# Altium PCB Thermostat_EEM.PCBDOC (part 8 of 10)
Units mm, origin at the board's own origin, x right, y up, seen from the top; angles counter-clockwise.
Board outline 162.48 x 100 mm, 4 copper layers (TOP, G1, L2, BOT), stack 1.55 mm thick; 903 components, 476 nets, 2667 pads, 1400 vias.
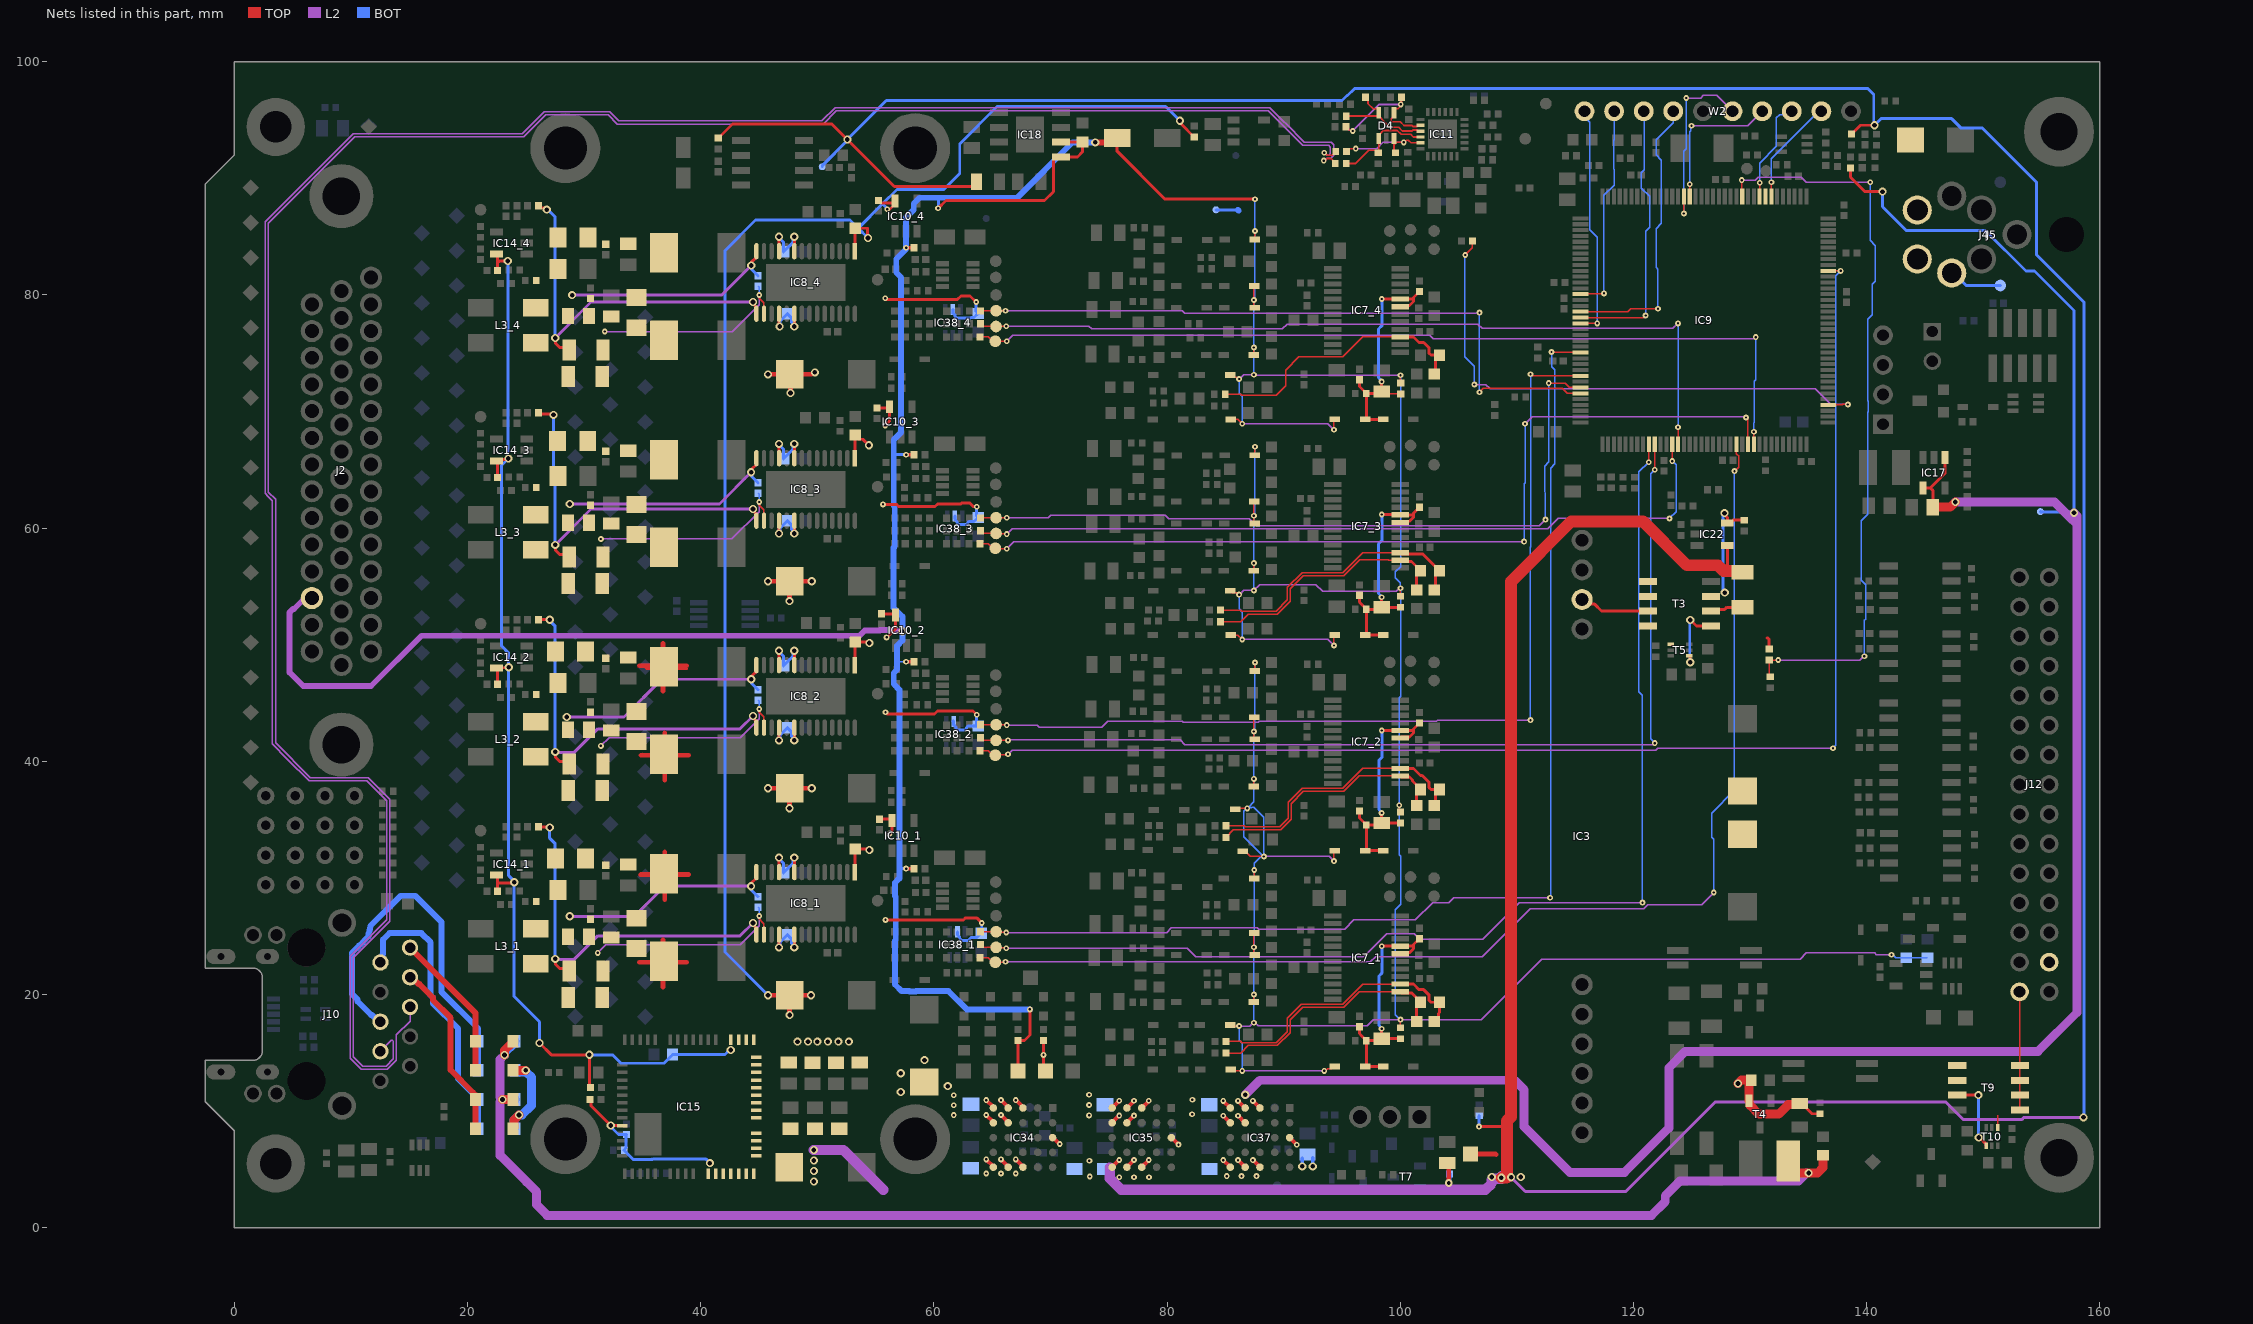
[diagram p10: the nets of this part, all layers, seen from the top]

## Via types
v1: diameter 0.5, hole 0.2, TOP to BOT, tented both sides, 1027 vias
v2: diameter 0.7, hole 0.4, TOP to BOT, tented both sides, 186 vias
v3: diameter 0.6, hole 0.3, TOP to BOT, tented both sides, 97 vias
v4: diameter 0.6, hole 0.3, TOP to BOT, 81 vias
v5: diameter 0.66, hole 0.33, TOP to BOT, tented both sides, 9 vias

## Nets (pads, with @x,y where several pads share a name; then routed paths per layer and width w, separated by ;. In a path a pad name is that pad's centre, name@x,y a point inside that pad or via, vN(x,y) a via of type N, cw(c..) or ccw(c..) an arc to the next point about the centre after c; other vN are vias at no path point) (continued)
P5V0: C8.2 C9.2 C10.2 C11.2 C56_1.2 C56_2.2 C56_3.2 C56_4.2 C57_1.2 C57_2.2 C57_3.2 C57_4.2 C58_1.2 C58_2.2 C58_3.2 C58_4.2 C59_1.1 C59_2.1 C59_3.1 C59_4.1 C69_1.2 C69_2.2 C69_3.2 C69_4.2 C78.2 C90_1.1 C90_2.1 C90_3.1 C90_4.1 C116_1.1 C116_2.1 C116_3.1 C116_4.1 C118.2 C157.2 C158.2 C164.2 C165.1 IC8_1.1 IC8_1.9 IC8_1.11 IC8_1.18 IC8_1.20 IC8_2.1 IC8_2.9 IC8_2.11 IC8_2.18 IC8_2.20 IC8_3.1 IC8_3.9 IC8_3.11 IC8_3.18 IC8_3.20 IC8_4.1 IC8_4.9 IC8_4.11 IC8_4.18 IC8_4.20 IC10_1.5 IC10_2.5 IC10_3.5 IC10_4.5 IC14_1.5 IC14_2.5 IC14_3.5 IC14_4.5 IC15.24 IC15.25 IC15.26 IC15.27 IC15.28 IC15.29 IC15.30 IC15.31 IC15.32 IC15.33 IC15.34 IC15.35 IC15.36 IC17.1 IC17.4 IC34.C1 IC34.D1 IC34.D2 IC34.E1 IC34.E2 IC35.C1 IC35.D1 IC35.D2 IC35.E1 IC35.E2 IC37.C1 IC37.D1 IC37.D2 IC37.E1 IC37.E2 IC38_1.5 IC38_2.5 IC38_3.5 IC38_4.5 R82.1 R86.2 R100.1 R124.1 TP5.1 TP7.1 | length 563.5
  TOP w0.254: IC14_1.5@22.485,30.245 22.585,30.145 22.585,29.501 ; IC14_4.5@22.485,83.495 22.585,83.395 22.585,82.751 ; C90_1.1@22.585,28.857 22.585,29.501 ; C90_2.1@22.585,46.607 22.585,47.895 IC14_2.5@22.485,47.995 22.521,48.031 23.504,48.031 v2(23.54,48.067) ; C90_3.1@22.585,64.357 22.585,65.645 IC14_3.5@22.485,65.745 22.629,65.888 23.425,65.888 v2(23.51,65.974) ; C90_4.1@22.585,82.107 22.585,82.751 ; v2(23.461,82.919) 23.437,82.896 22.73,82.896 22.585,82.751 ; v2(24.01,29.634) 23.94,29.564 22.648,29.564 22.585,29.501 ; v2(26.186,15.841) 27.193,14.834 v2(30.453,14.834) 30.453,12.122 R86.2@30.555,12.02 ; v2(42.577,15.241) v2@42.67,15.241 ; v2(46.725,24.05) 46.725,25.138 IC8_1.18@46.732,25.145 ; v2(46.725,31.744) 46.725,30.512 IC8_1.11@46.732,30.505 ; v2(46.725,41.8) 46.725,42.888 IC8_2.18@46.732,42.895 ; v2(46.725,49.494) 46.725,48.262 IC8_2.11@46.732,48.255 ; v2(46.725,59.55) 46.725,60.638 IC8_3.18@46.732,60.645 ; v2(46.725,67.228) 46.729,67.225 46.729,66.009 IC8_3.11@46.732,66.005 ; v2@46.725,77.3 46.725,78.388 IC8_4.18@46.732,78.395 ; v2(46.725,84.994) 46.725,83.762 IC8_4.11@46.732,83.755 ; v2@47.625,18.252 v2(47.633,18.244) ; C59_4.1@47.625,73.194 C59_4.1@47.701,73.118 ; v2(48.032,24.05) IC8_1.20@48.032,25.145 ; v2(48.032,41.8) IC8_2.20@48.032,42.895 ; v2(48.032,59.55) IC8_3.20@48.032,60.645 ; v2(48.032,77.3) IC8_4.20@48.032,78.395 ; IC8_1.9@48.032,30.505 v2(48.032,31.744) ; IC8_2.9@48.032,48.255 v2(48.032,49.494) ; IC8_3.9@48.032,66.005 v2(48.032,67.228) ; IC8_4.9@48.032,83.755 v2(48.032,84.994) ; v2@49.501,73.194 49.673,73.366 v2(49.794,73.366) ; IC8_1.1@53.232,30.505 53.232,32.457 C57_1.2@53.25,32.475 54.397,32.475 v2(54.472,32.4) ; IC8_2.1@53.232,48.255 53.232,50.207 C57_2.2@53.25,50.225 54.397,50.225 v2(54.472,50.15) ; IC8_3.1@53.232,66.005 53.232,67.957 C57_3.2@53.25,67.975 53.598,67.627 53.911,67.627 v2(54.431,67.107) ; IC8_4.1@53.232,83.755 53.232,85.707 C57_4.2@53.25,85.725 54.323,85.725 54.323,84.919 v2(54.355,84.887) ; C116_3.1@55.114,70.305 56.106,70.305 IC10_3.5@56.213,70.412 56.213,69.194 v1(55.825,68.806) ; C116_4.1@55.244,88.1 55.456,87.888 IC10_4.5@56.582,87.888 ; C116_1.1@55.285,35.104 C116_1.1@55.345,35.044 56.309,35.044 IC10_1.5@56.419,34.935 56.419,34.021 v1(56.22,33.823) ; C116_2.1@55.5,52.657 56.611,52.657 IC10_2.5@56.719,52.549 56.719,51.363 55.989,50.633 v1(55.95,50.633) ; v1(55.643,62.044) 56.777,62.044 56.971,61.85 60.101,61.85 60.309,62.059 62.296,62.059 62.386,62.149 63.084,62.149 63.374,61.86 63.658,61.86 v1(63.677,61.841) ; v1(55.825,79.721) 55.892,79.721 56.003,79.61 62.011,79.61 62.322,79.92 63.106,79.92 v1(63.633,79.394) ; v1(55.855,26.407) 55.863,26.399 62.535,26.399 62.72,26.583 63.677,26.583 64.107,26.153 v1(64.107,26.144) ; v1(55.855,44.21) 56.002,44.064 60.055,44.064 60.312,44.32 62.251,44.32 62.254,44.324 63.347,44.324 v1(63.677,43.994) ; v1(56,87.351) 56.029,87.38 56.233,87.38 56.576,87.723 56.576,87.973 IC10_4.5@56.675,88.072 ; v1@64.419,9.599 v1@64.572,9.599 ; v1@64.419,10.869 v1@64.572,10.869 ; v1@65.689,9.599 v1@65.842,9.599 ; v1@65.689,10.869 v1@65.842,10.869 ; v1@66.959,10.869 v1@67.112,10.869 ; R100.1@69.402,16.056 69.402,13.609 TP7.1@69.566,13.446 ; v1@75.82,9.539 v1@75.82,9.692 ; v1@75.82,10.809 v1@75.82,10.812 ; v1@75.82,10.962 v1@75.82,10.812 ; v1(75.898,10.89) v1@75.82,10.812 ; v1@77.09,9.539 v1@77.09,9.692 ; v1@77.09,10.809 v1@77.09,10.962 ; v1@78.36,10.809 v1@78.36,10.962 ; v2(81.101,94.945) 81.186,94.86 81.186,94.688 82.319,93.555 R124.1@82.339,93.555 ; R82.1@138.617,90.898 138.617,90.103 139.856,88.864 v2(141.366,88.864) ; IC17.4@144.837,63.454 145.462,63.454 ; C78.2@145.671,61.803 145.671,63.244 145.462,63.454 ; IC17.1@146.662,66.129 IC17.1@146.737,66.054 146.737,64.729 145.462,63.454
  TOP w0.35: v1(64.491,9.677) IC34.E2@65.102,9.069 ; v1(64.491,10.947) IC34.E1@65.102,10.339 ; v1(65.761,9.677) IC34.D2@66.372,9.069 ; v1(65.761,10.947) IC34.D1@66.372,10.339 ; v1(67.031,10.947) IC34.C1@67.642,10.339 ; IC35.E2@75.29,9.01 v1(75.898,9.62) ; IC35.E1@75.29,10.28 v1@75.82,10.812 ; IC35.D2@76.56,9.01 v1(77.168,9.62) ; IC35.D1@76.56,10.28 v1(77.168,10.89) ; IC35.C1@77.83,10.28 v1(78.438,10.89) ; v1(84.817,9.613) IC37.E2@85.428,9.006 ; v1(84.817,10.883) IC37.E1@85.428,10.276 ; v1(86.087,9.613) IC37.D2@86.698,9.006 ; v1(86.087,10.883) IC37.D1@86.698,10.276 ; v1(87.357,10.883) IC37.C1@87.968,10.276
  TOP w0.4: v2(45.782,19.944) C59_1.1@47.625,19.944 ; v2(45.782,37.694) C59_2.1@47.625,37.694 ; v2(45.782,55.444) C59_3.1@47.625,55.444 ; v2(45.782,73.194) C59_4.1@47.625,73.194 v2@49.501,73.194 ; v2@47.625,18.252 C59_1.1@47.625,19.944 ; v2(47.625,35.974) C59_2.1@47.625,37.694 ; v2(47.625,53.744) C59_3.1@47.625,55.444 ; v2(47.701,71.59) C59_4.1@47.701,73.118 ; v2(49.459,19.944) C59_1.1@47.625,19.944 ; v2(49.532,37.694) C59_2.1@47.625,37.694 ; v2(49.532,55.444) C59_3.1@47.625,55.444
  TOP w0.762: C78.2@145.671,61.803 147.173,61.803 v2(147.611,62.241)
  L2 w0.254: v2@24.01,29.506 v2(24.01,29.634)
  L2 w0.762: v2(86.71,11.412) 87.952,12.654 103.883,12.654 109.803,12.649 110.619,11.833 110.619,8.683 114.553,4.75 119.235,4.75 123.048,8.563 123.048,13.728 124.444,15.124 154.696,15.124 158.037,18.466 158.037,60.343 ; v2(147.611,62.241) 156.121,62.241 157.408,60.955 157.426,60.955 158.037,60.343 ; v2(157.78,61.327) 158.037,61.07 158.037,60.343
  BOT w0.254: v2(23.461,82.919) 23.461,65.924 22.909,65.373 22.909,49.911 23.54,49.28 v2(23.54,48.067) 23.54,30.198 24.01,29.728 v2(24.01,29.634) 24.01,19.838 26.186,17.662 v2(26.186,15.841) ; v2(30.453,14.834) 32.45,14.834 33.172,14.111 36.857,14.111 37.427,14.681 C118.2@37.464,14.681 ; C118.2@37.586,14.865 42.081,14.865 42.456,15.241 v2(42.577,15.241) ; v2(45.782,19.944) 45.782,20.047 45.679,20.047 42.081,23.645 42.081,83.803 44.709,86.431 52.81,86.431 53.513,85.728 ; v2(46.725,24.05) 46.81,24.135 46.81,24.497 47.432,25.119 C58_1.2@47.432,25.144 47.78,24.796 47.78,24.423 48.032,24.171 v2(48.032,24.05) ; v2(46.725,31.744) 46.725,31.649 47.125,31.249 C56_1.2@47.125,30.469 ; v2(46.725,41.8) 46.81,41.885 46.81,42.247 47.432,42.869 C58_2.2@47.432,42.894 47.78,42.546 47.78,42.173 48.032,41.921 v2(48.032,41.8) ; v2(46.725,49.494) 46.725,49.399 47.125,48.999 C56_2.2@47.125,48.219 ; v2(46.725,59.55) 46.81,59.635 46.81,59.997 47.432,60.619 C58_3.2@47.432,60.644 47.78,60.296 47.78,59.923 48.032,59.671 v2(48.032,59.55) ; v2(46.725,67.228) 46.725,67.149 47.125,66.749 C56_3.2@47.125,65.969 ; v2@46.725,77.3 46.81,77.385 46.81,77.747 47.432,78.369 C58_4.2@47.432,78.394 47.78,78.046 47.78,77.673 48.032,77.421 v2(48.032,77.3) ; v2(46.725,84.994) 46.725,84.899 47.125,84.499 C56_4.2@47.125,83.719 ; C56_1.2@47.125,30.444 C56_1.2@47.125,30.469 ; C56_2.2@47.125,48.194 C56_2.2@47.125,48.219 ; C56_3.2@47.125,65.944 C56_3.2@47.125,65.969 ; C56_4.2@47.125,83.694 C56_4.2@47.125,83.719 ; v2(48.032,31.744) 47.937,31.649 47.937,31.281 C56_1.2@47.125,30.469 ; v2(48.032,49.494) 47.937,49.399 47.937,49.031 C56_2.2@47.125,48.219 ; v2(48.032,67.228) 47.937,67.133 47.937,66.781 C56_3.2@47.125,65.969 ; v2(48.032,84.994) 47.937,84.899 47.937,84.531 C56_4.2@47.125,83.719 ; v2(54.355,84.887) 53.513,85.728 ; v1(56,87.351) 56,87.417 55.624,87.793 55.624,87.838 ; IC38_2.5@61.63,43.481 IC38_2.5@61.703,43.408 61.703,43.133 61.899,42.937 61.899,42.827 62.048,42.679 62.658,42.679 62.807,42.827 62.807,42.898 62.956,43.047 C69_2.2@63.8,43.047 63.677,43.17 v1(63.677,43.994) ; IC38_4.5@61.63,78.739 61.63,78.464 61.826,78.268 61.826,78.159 61.975,78.01 63.107,78.01 63.175,78.079 63.452,78.079 C69_4.2@63.8,78.427 63.633,78.594 v1(63.633,79.394) ; IC38_3.5@61.8,61.049 61.8,60.774 61.996,60.578 61.996,60.469 62.145,60.32 62.755,60.32 63,60.565 63.452,60.565 C69_3.2@63.8,60.913 63.677,61.036 v1(63.677,61.841) ; IC38_1.5@62.025,25.386 62.025,25.111 62.221,24.915 62.221,24.806 62.37,24.657 62.98,24.657 63.237,24.914 63.706,24.914 C69_1.2@64.054,25.262 64.107,25.315 v1(64.107,26.144) ; v2(81.101,94.945) 79.886,96.16 65.426,96.16 62.222,92.955 62.222,90.416 60.853,89.047 56.833,89.047 55.624,87.838 ; v2(141.366,88.864) 141.366,87.572 143.419,85.518 150.202,85.518 153.67,82.05 154.394,82.05 157.78,78.665 v2@157.78,61.338 ; TP5.1@154.9,61.415 154.944,61.371 157.736,61.371 v2(157.78,61.327) ; 53.513,85.728 55.624,87.838
  other v1: 61.701,9.659 73.32,9.64 82.148,9.735 61.701,10.513 73.32,10.526 82.173,10.975 61.701,11.368 73.32,11.412 69.402,14.833
  other v2: 57.156,11.65 61.198,12.147 57.156,13.25 59.2,14.381 48.31,15.968 49.21,15.968 50.01,15.968 50.91,15.968 51.81,15.968 52.71,15.968 46.775,77.3
P5V0A: C113.2 D13_1.1 D13_2.1 D13_3.1 D13_4.1 D14_1.1 D14_2.1 D14_3.1 D14_4.1 D17_1.1 D17_2.1 D17_3.1 D17_4.1 D18_1.1 D18_2.1 D18_3.1 D18_4.1 D25.1 D29_1.1 D29_2.1 D29_3.1 D29_4.1 D30_1.1 D30_2.1 D30_3.1 D30_4.1 D31_1.1 D31_2.1 D31_3.1 D31_4.1 IC18.1 IC18.2 J2.33 R1.2 R2.2 R37_1.2 R37_2.2 R37_3.2 R37_4.2 R39.1 R71_1.2 R71_2.2 R71_3.2 R71_4.2 TP11.1 TP14.1 | length 493
  TOP w0.127: TP11.1@67.209,13.457 TP11.1@67.221,13.446 ; D30_1.1@85.419,17.381 85.499,17.3 v1(86.18,17.3) ; D30_3.1@85.419,54.631 85.605,54.444 85.935,54.444 86.079,54.3 v1(86.18,54.3) ; D30_4.1@85.419,73.131 85.605,72.944 85.935,72.944 86.079,72.8 v1(86.18,72.8) ; D31_1.1@85.449,13.581 85.571,13.458 v1(86.444,13.458) ; D31_3.1@85.449,50.831 86.071,50.831 v1(86.444,50.458) ; D31_4.1@85.449,69.331 86.071,69.331 v1(86.444,68.958) ; D30_2.1@85.853,35.89 85.935,35.973 v1(86.88,35.973) ; D31_2.1@86.501,32.289 86.701,32.289 87.146,31.844 v1(88.302,31.844) ; D18_1.1@87.444,19.355 v1(87.444,20) ; D18_2.1@87.444,37.855 v1(87.444,38.5) ; D18_3.1@87.444,56.355 v1(87.444,57) ; D18_4.1@87.444,74.855 v1(87.444,75.5) ; D13_1.1@87.48,29.962 v1(87.48,30.685) ; D14_1.1@87.494,25.282 87.444,25.233 v1(87.444,24.064) 87.444,23.469 D17_1.1@87.515,23.398 ; D14_2.1@87.494,43.782 87.444,43.733 v1(87.444,42.564) 87.444,41.969 D17_2.1@87.515,41.898 ; D14_3.1@87.494,62.282 87.444,62.233 v1(87.444,61.064) 87.444,60.469 D17_3.1@87.515,60.398 ; D14_4.1@87.494,80.782 87.444,80.733 v1(87.444,79.564) 87.444,78.969 D17_4.1@87.515,78.898 ; D13_2.1@87.539,47.761 v1(87.539,48.484) ; D13_3.1@87.539,66.261 v1(87.539,66.984) ; D13_4.1@87.539,84.761 v1(87.539,85.484) ; v1(93.478,13.458) 93.579,13.458 93.773,13.652 94.072,13.652 D29_1.1@94.318,13.899 ; v1(94.318,31.443) D29_2.1@94.318,32.399 ; v1(94.318,49.943) D29_3.1@94.318,50.899 ; v1(94.318,68.443) D29_4.1@94.318,69.399 ; v1(99.917,36.24) 99.917,35.76 R37_2.2@100.021,35.656 ; v1@99.998,73.101 100.021,73.079 100.021,72.482 R37_4.2@100.049,72.454 ; R37_1.2@100.021,17.156 v1(100.021,17.85) ; R37_3.2@100.021,54.156 v1(100.021,54.85)
  TOP w0.254: v1(60.369,87.435) 61.034,88.1 69.494,88.1 70.252,88.858 70.252,91.672 70.425,91.845 IC18.1@70.9,91.845 72.316,91.845 72.75,92.279 72.75,93.115 C113.2@72.75,93.135 ; TP11.1@67.209,13.457 R39.1@67.209,16.056 67.766,16.056 68.239,16.529 v1(68.239,18.734) ; IC18.2@70.9,93.115 C113.2@72.73,93.115 ; D25.1@75.385,93.135 D25.1@75.725,93.475 75.725,92.319 79.829,88.215 v1(87.539,88.215)
  TOP w0.3: v1(57.625,30.8) R71_1.2@58.305,30.8 ; v1(57.625,48.55) R71_2.2@58.305,48.55 ; v1(57.625,66.3) R71_3.2@58.305,66.3 ; v1(57.625,84.05) R71_4.2@58.305,84.05
  TOP w0.5: C113.2@72.73,93.115 C113.2@72.75,93.115 ; v2@73.86,93.091 75.538,93.091 D25.1@75.564,93.116
  L2 w0.127: v1(86.18,17.3) 87.112,17.3 87.388,17.577 v1@87.444,17.577 ; v1(86.18,54.3) 86.232,54.3 86.589,54.657 v1(87.444,54.657) 87.934,55.146 92.764,55.146 93.337,54.574 99.674,54.574 99.951,54.85 v1(100.021,54.85) ; v1(86.18,72.8) 86.232,72.8 86.589,73.157 v1(87.444,73.157) ; v1(86.444,13.458) v1(93.478,13.458) ; v1(86.444,50.458) 93.803,50.458 v1(94.318,49.943) ; v1(86.444,68.958) 93.803,68.958 v1(94.318,68.443) ; v1(87.444,17.59) 87.542,17.59 87.805,17.328 97.164,17.328 97.687,17.85 v1(100.021,17.85) 106.927,17.85 112.114,23.038 134.295,23.038 134.836,23.578 140.684,23.578 140.844,23.419 v1(142.137,23.419) ; v1@87.444,73.101 v1@99.948,73.101 ; v1(88.302,31.844) 93.918,31.844 v1(94.318,31.443)
  L2 w0.5: J2.33@6.45,54.007 6.071,54.007 5.125,53.061 5.028,53.061 4.748,52.781 4.748,47.625 5.917,46.457 11.733,46.457 16.051,50.775 53.618,50.775 54.075,51.232 55.353,51.232 55.381,51.26 56.21,51.26 56.268,51.201 57.261,51.201 v2(57.299,51.163)
  BOT w0.127: 56.851,48.55 v1(57.625,48.55) ; v1(86.18,17.3) 86.18,16.074 86.444,15.809 v1(86.444,13.458) ; v1(86.18,54.3) 86.18,53.074 86.444,52.809 v1(86.444,50.458) ; v1(86.18,72.8) 86.18,71.574 86.444,71.309 v1(86.444,68.958) ; v1(87.444,17.59) v1(87.444,20) v1(87.444,24.064) 87.462,24.082 87.462,30.667 v1(87.48,30.685) 87.48,31.261 v1@88.159,31.941 ; v1(87.444,54.657) v1(87.444,57) v1(87.444,61.064) 87.539,61.159 v1(87.539,66.984) ; v1(87.444,73.157) v1(87.444,75.5) v1(87.444,79.564) 87.539,79.659 v1(87.539,85.484) v1(87.539,88.215) ; v1(87.539,48.484) 87.539,42.659 v1(87.444,42.564) v1(87.444,38.5) 87.444,36.538 v1@86.945,36.038 ; v1@88.16,31.942 v1@88.159,31.941 ; v1(100.021,17.85) 99.58,18.291 99.58,27.28 100.048,27.748 100.048,31.878 99.917,32.01 v1(99.917,36.24) 99.917,45.454 100.027,45.565 100.027,54.844 v1(100.021,54.85) 100.021,55.316 99.58,55.757 99.58,56.249 100.024,56.693 100.024,73.112 v1(100.021,73.115) ; v1(142.137,23.419) 142.238,23.419 142.492,23.165 R2.2@145.218,23.165 ; v1@86.945,36.038 87.268,36.038 87.28,36.05 87.444,36.05 88.302,35.192 v1(88.302,31.844) 88.257,31.844 v1@88.159,31.941 ; v1@86.945,36.038 v1(86.88,35.973) 86.814,35.973 86.562,35.72 86.562,33.539 v1@88.159,31.941
  BOT w0.254: 56.761,66.3 v1(57.625,66.3) ; 57.042,30.596 57.243,30.797 57.622,30.797 v1(57.625,30.8) ; v1(60.369,87.435) 60.403,87.469 60.403,88.341 ; TP14.1@84.2,87.305 86.062,87.305
  BOT w0.5: v1(68.239,18.734) 62.82,18.734 61.26,20.294 58.487,20.294 58.456,20.263 57.937,20.263 57.906,20.294 57.25,20.294 56.672,20.872 56.672,24.61 56.731,24.67 56.731,28.409 56.672,28.468 56.672,29.597 57.042,29.967 57.042,30.596 57.042,46.146 56.557,46.632 56.557,47.589 56.851,47.883 56.851,48.55 56.851,49.915 57.299,50.364 v2(57.299,51.163) 57.299,52.43 56.548,53.181 56.548,58.318 56.648,58.419 56.648,61.832 56.567,61.913 56.567,67.596 57.194,68.223 57.194,81.495 56.769,81.919 56.769,83.081 57.625,83.937 v1(57.625,84.05) 57.625,86.659 58.275,87.309 58.275,87.838 58.778,88.341 60.403,88.341 67.145,88.341 71.894,93.091 v2(73.836,93.091) ; 86.062,87.305 86.144,87.224
P5V0AVDD_1: C41_1.1 C42_1.1 C54_1.1 D29_1.2 D34_1.1 IC7_1.7 IC7_1.8 R36_1.2 R37_1.1 | length 21.5
  TOP w0.254: C41_1.1@96.503,17.239 96.503,16.653 96.682,16.473 97.09,16.065 R36_1.2@97.09,16.045 ; v1(98.403,17.07) 98.403,16.228 C42_1.1@98.417,16.214 ; v1(98.417,24.15) v1(98.417,24.15) 100.02,24.149 IC7_1.8@100.021,24.148 101.091,24.148 101.143,24.096 ; D34_1.1@98.531,13.789 98.481,13.839 D29_1.2@96.981,13.839 97.09,13.949 R36_1.2@97.09,16.045 ; R37_1.1@100.021,16.216 98.587,16.216 98.417,16.045 R36_1.2@97.09,16.045 ; IC7_1.7@100.021,23.498 100.119,23.596 100.802,23.596 101.143,23.938 101.143,24.096 ; C54_1.1@101.653,24.796 101.143,24.286 101.143,24.096
  BOT w0.254: v1(98.403,17.07) 98.403,17.136 98.176,17.363 98.176,21.599 98.417,21.84 v1(98.417,24.15)
P5V0AVDD_2: C41_2.1 C42_2.1 C54_2.1 D29_2.2 D34_2.1 IC7_2.7 IC7_2.8 R36_2.2 R37_2.1 | length 21.5
  TOP w0.254: C41_2.1@96.503,35.739 96.503,35.153 96.682,34.973 97.09,34.565 R36_2.2@97.09,34.545 ; v1(98.403,35.57) 98.403,34.728 C42_2.1@98.417,34.714 ; v1(98.417,42.65) v1(98.417,42.65) IC7_2.8@100.021,42.648 IC7_2.8@100.021,42.648 101.091,42.648 101.143,42.596 ; D34_2.1@98.531,32.289 98.481,32.339 D29_2.2@96.981,32.339 97.09,32.449 R36_2.2@97.09,34.545 ; R37_2.1@100.021,34.716 98.587,34.716 98.417,34.545 R36_2.2@97.09,34.545 ; IC7_2.7@100.021,41.998 100.119,42.096 100.802,42.096 101.143,42.438 101.143,42.596 ; C54_2.1@101.653,43.296 101.143,42.786 101.143,42.596
  BOT w0.254: v1(98.403,35.57) 98.403,35.636 98.18,35.859 98.18,40.097 98.417,40.334 v1(98.417,42.65)
P5V0AVDD_3: C41_3.1 C42_3.1 C54_3.1 D29_3.2 D34_3.1 IC7_3.7 IC7_3.8 R36_3.2 R37_3.1 | length 21.6
  TOP w0.254: C41_3.1@96.503,54.239 96.503,53.653 96.682,53.473 97.09,53.065 R36_3.2@97.09,53.045 ; v1(98.403,54.07) 98.403,53.228 C42_3.1@98.417,53.214 ; v1(98.417,61.175) 98.43,61.161 100.007,61.161 IC7_3.8@100.021,61.148 101.091,61.148 101.143,61.096 ; D34_3.1@98.531,50.789 98.481,50.839 D29_3.2@96.981,50.839 97.09,50.949 R36_3.2@97.09,53.045 ; R37_3.1@100.021,53.216 98.587,53.216 98.417,53.045 R36_3.2@97.09,53.045 ; IC7_3.7@100.021,60.498 100.119,60.596 100.802,60.596 101.143,60.938 101.143,61.096 ; C54_3.1@101.653,61.796 101.143,61.286 101.143,61.096
  BOT w0.254: v1(98.403,54.07) 98.403,54.136 98.132,54.406 98.132,58.662 98.417,58.946 v1(98.417,61.175)
P5V0AVDD_4: C41_4.1 C42_4.1 C54_4.1 D29_4.2 D34_4.1 IC7_4.7 IC7_4.8 R36_4.2 R37_4.1 | length 21.5
  TOP w0.127: C42_4.1@99.033,71.526 100.036,71.526 R37_4.1@100.049,71.514
  TOP w0.254: C41_4.1@96.503,72.739 96.503,72.153 96.682,71.973 97.09,71.565 R36_4.2@97.09,71.545 ; v1(98.403,72.57) 98.403,71.728 C42_4.1@98.417,71.714 ; v1(98.417,79.65) v1(98.417,79.65) IC7_4.8@100.021,79.648 IC7_4.8@100.021,79.648 101.091,79.648 101.143,79.596 ; D34_4.1@98.531,69.289 98.481,69.339 D29_4.2@96.981,69.339 97.09,69.449 R36_4.2@97.09,71.545 ; C42_4.1@99.033,71.545 R36_4.2@97.09,71.545 ; IC7_4.7@100.021,78.998 100.119,79.096 100.802,79.096 101.143,79.438 101.143,79.596 ; C54_4.1@101.653,80.296 101.143,79.786 101.143,79.596
  BOT w0.254: v1(98.403,72.57) 98.403,72.636 98.132,72.906 98.132,77.079 98.417,77.363 v1(98.417,79.65)
P12V0: C12.2 C13.2 C14.2 C15.1 C101.2 C117.2 C155.2 C156.2 C163.2 C166.2 C167.2 IC15.12 IC15.13 IC15.14 IC15.15 IC15.16 IC15.17 IC15.18 IC15.19 IC15.20 IC15.21 IC15.22 IC15.60 IC22.4 IC34.A3 IC34.C5 IC34.D5 IC34.E5 IC35.A3 IC35.C5 IC35.D5 IC35.E5 IC37.A3 IC37.C5 IC37.D5 IC37.E5 R13.2 R69.2 R83.2 R88.1 R90.2 R97.1 R128.1 R138.1 T7.2 TP4.1 TP6.1 | length 436.1
  TOP w0.254: R138.1@30.517,11 30.601,10.916 30.601,10.458 v2(32.289,8.77) IC15.60@33.24,8.77 ; R97.1@41.5,93.47 41.52,93.47 42.721,94.671 51.243,94.671 v2(52.582,93.332) 56.614,89.3 63.34,89.3 R88.1@63.651,89.611 ; v1@64.419,5.789 v1@64.572,5.789 ; v1@65.689,5.789 v1@65.842,5.789 ; v1@66.959,5.789 v1@67.112,5.789 ; v1@70.711,7.27 v1@70.864,7.27 ; v1@75.82,5.729 v1@75.82,5.882 ; v1@77.09,5.729 v1@77.09,5.882 ; v1@78.36,5.729 v1@78.36,5.882 ; v1(106.757,8.677) 109.131,8.677 109.156,8.652 ; v2(107.845,4.35) 107.903,4.293 v2(108.673,4.293) ; 128.05,56.447 IC22.4@128.05,58.531 ; R83.2@138.7,93.804 138.72,93.804 139.472,94.556 v2(140.667,94.556)